# Altium PCB ASCII_LimeSDR-USB_1v4s.PcbDoc (part 7 of 10) (continued)
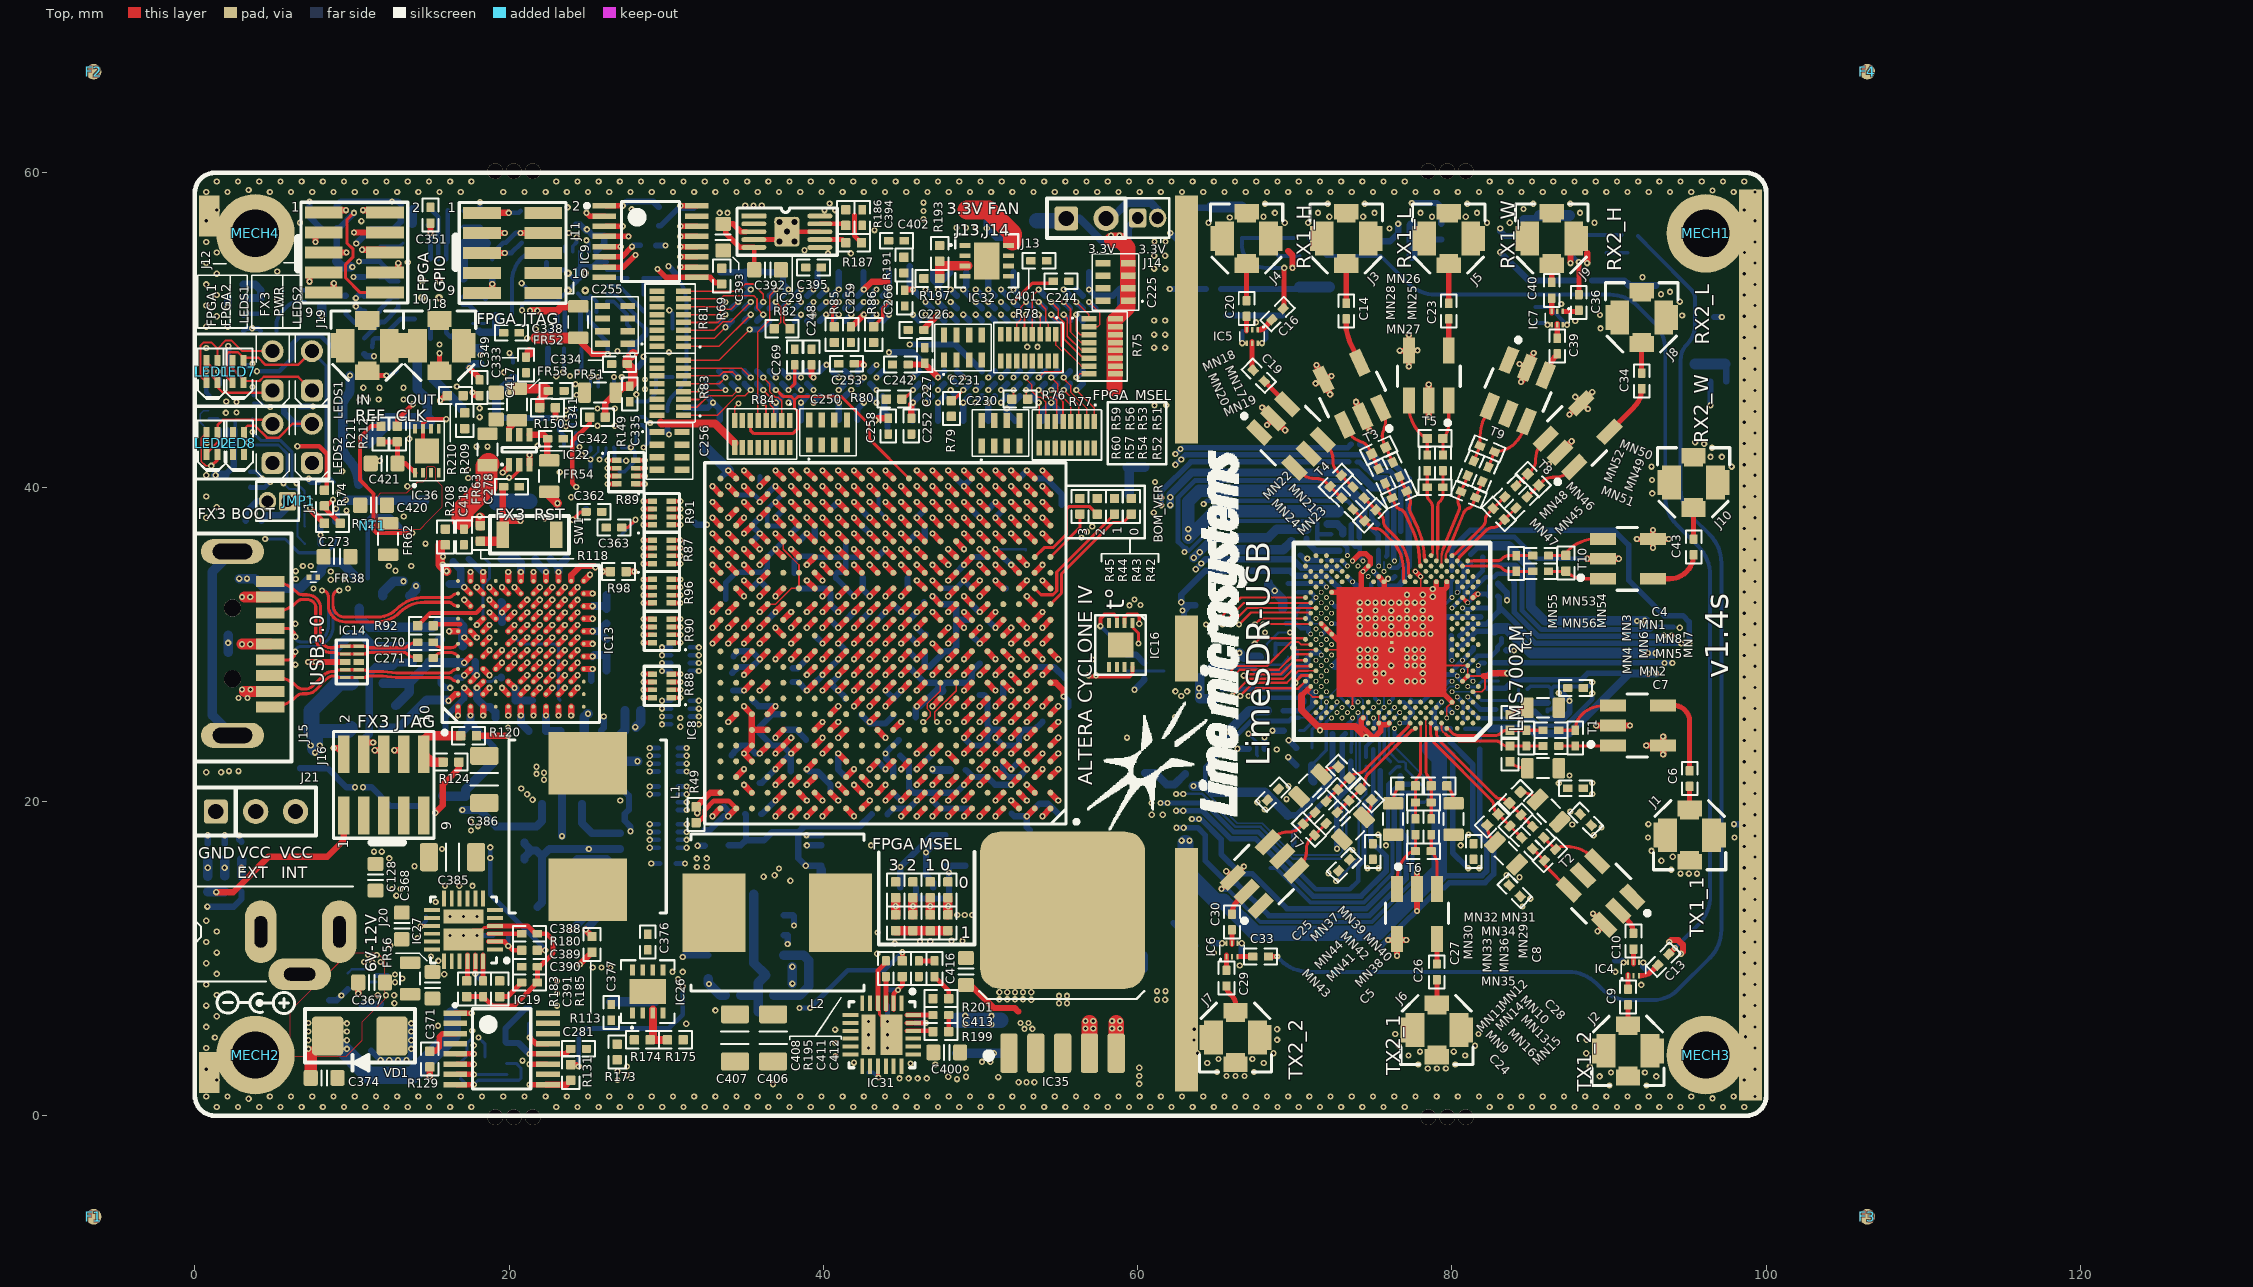
[diagram p0: Top view]
## Nets (pads, with @x,y where several pads share a name; then routed paths per layer and width w, separated by ;. In a path a pad name is that pad's centre, name@x,y a point inside that pad or via, vN(x,y) a via of type N, cw(c..) or ccw(c..) an arc to the next point about the centre after c; other vN are vias at no path point) (continued)
NetC81_1: C81.1 FR16.2 FR18.2 IC1.L5 R37.2 | length 4.2
  L4 w0.35: v4(80.006,28.977) 80.006,28.311 v4(80.339,27.978)
  Bottom w0.3: C81.1@79.381,27.894 79.558,28.07 80.247,28.07 v4(80.339,27.978) 80.339,27.931 R37.2@80.624,27.646
  Bottom w0.35: FR16.2@79.95,30.525 79.95,29.033 v4(80.006,28.977)
NetC82_1: C82.1 FR15.1 IC1.AN23 | length 2.7
  Bottom w0.3: C82.1@74.126,36.239 74.126,35.523 v4(74.345,35.304)
  Bottom w0.35: FR15.1@73.601,37.594 73.601,36.49 73.852,36.239 C82.1@74.101,36.239
NetC83_1: C83.1 FR20.2 IC1.G5 | length 1.7
  Bottom w0.2: C83.1@80.753,26.232 80.719,26.232 80.719,25.316 FR20.2@80.849,25.186
  Bottom w0.3: v4(80.339,26.646) C83.1@80.753,26.232
NetC84_1: C84.1 FR21.2 IC1.N1 | length 1.1
  Bottom w0.3: C84.1@81.721,28.069 81.671,28.119 v4(81.671,28.644) 81.833,28.806 FR21.2@82.094,28.806
NetC85_1: C85.1 FR19.1 IC1.AM18 | length 2.3
  Bottom w0.31: v4(76.01,34.971) 76.113,34.869 76.526,34.869 76.776,35.119 FR19.1@76.776,36.514
NetC86_1: C86.1 IC1.AL19 R38.2 | length 3.5
  Bottom w0.11: v4(75.677,34.638) 75.676,35.244
  Bottom w0.3: 75.821,35.589 75.881,35.649 C86.1@75.881,38.419
NetC87_1: C87.1 FR20.1 R39.1 | length 1.6
  Bottom w0.3: FR20.1@80.849,24.626 81.772,24.626 R39.1@81.775,24.629 ; C87.1@81.771,23.869 R39.1@81.771,24.559
NetC88_1: C88.1 FR22.1 IC1.AM20 | length 1
  Bottom w0.3: v4@75.331,34.984 FR22.1@75.331,36.019
  other v4: 75.344,34.971
NetC89_1: C89.1 FR27.2 IC1.AD6 | length 3.8
  Bottom w0.3: v4(80.006,32.307) 80.826,33.127 80.826,33.535 81.201,33.91 81.201,33.918 81.946,34.663
  Bottom w0.35: C89.1@81.946,34.869 FR27.2@81.946,35.55
NetC90_1: C90.1 FR23.2 IC1.AE3 IC1.AF4 | length 4.5
  Top w0.3: IC1.AF4@80.672,32.973 v4(81.005,32.64)
  Bottom w0.3: v4(81.005,32.64) 81.226,32.861 81.226,33.37 81.575,33.719 ; 81.601,33.752 82.117,34.269 82.676,34.269 82.896,34.489 83.176,34.489 FR23.2@84.055,34.489
NetC91_1: C91.1 FR24.1 FR25.1 IC1.AN17 | length 7.9
  Bottom w0.34: FR25.1@73.98,41.6 74.125,41.6 75.125,40.6 75.845,40.6 76.293,40.152 FR24.1@76.293,39.982 ; FR24.1@76.301,40.069 76.301,35.346 v4(76.343,35.304)
NetC92_1: C92.1 FR26.1 IC1.AJ25 | length 1
  Bottom w0.35: FR26.1@73.399,34.246 73.672,33.972 v4(73.679,33.972) 73.908,33.744 C92.1@74.183,33.744
NetC93_1: C93.1 FR28.2 IC1.AG5 | length 2.7
  Bottom w0.35: v4@80.351,33.294 80.401,33.344 80.401,33.719 80.451,33.769 80.459,33.769 80.776,34.086 80.776,34.094 80.776,34.739 ; C93.1@80.486,35.154 80.776,34.864 80.776,34.739 ; FR28.2@81.191,35.154 80.776,34.739
  other v4: 80.339,33.306
NetC94_1: C94.1 FR30.2 IC1.P4 | length 1.7
  Bottom w0.35: C94.1@80.206,28.526 80.221,28.526 v4(80.672,28.977) 81.369,29.674 FR30.2@81.369,29.781
NetC95_1: C95.1 FR29.1 IC1.AP26 | length 1.7
  Bottom w0.3: C95.1@72.276,36.439 FR29.1@73.051,36.439 73.346,36.144 v4(73.346,35.637)
NetC96_1: C96.1 FR29.2 R40.2 | length 1.4
  Bottom w0.5: C96.1@72.076,37.644 R40.2@72.701,37.644 73.051,37.294 FR29.2@73.051,37.044
NetC97_1: C97.1 FR31.1 IC1.AM26 | length 1.4
  Bottom w0.3: C97.1@72.051,35.339 FR31.1@72.826,35.339 72.979,35.339 v4(73.346,34.971)
NetC98_1: C98.1 FR31.2 R41.2 | length 2.5
  Bottom w0.4: R41.2@70.751,36.714 70.751,36.519 71.321,35.949 FR31.2@72.851,35.949
NetC99_1: C99.1 FR32.1 IC1.AK22 | length 13.9
  L4 w0.35: v1(65.8,36) 71.425,36 73.003,34.422 73.865,34.422 74.099,34.188 74.561,34.188 v4(74.678,34.305)
  Bottom w0.6: v1(65.8,36) 69.25,36 69.775,36.525
NetC100_1: C100.1 FR33.1 IC1.AF6 | length 1.9
  Bottom w0.25: C100.1@79.531,32.544 79.576,32.544 v4(80.006,32.973) 79.939,33.04 79.939,33.982 FR33.1@80.051,34.094 ; FR33.1@80.001,34.064 FR33.1@80.006,34.059
NetC101_1: C101.1 FR34.1 IC1.AD4 | length 1.8
  Bottom w0.3: v4(80.672,32.307) 80.737,32.307 80.829,32.215 81.181,32.215 81.273,32.307 82.342,32.307 FR34.1@82.351,32.299
NetC102_1: C102.1 FR35.1 IC1.AF2 | length 1.8
  Top w0.35: IC1.AF2@81.338,32.973 81.558,33.194 v4(81.651,33.194)
  Bottom w0.3: v4(81.651,33.194) 82.18,33.194 82.305,33.069 82.371,33.069 C102.1@82.371,33.719
NetC274_1: C274.1 FR39.2 J15.10 | length 12.8
  Bottom w0.6: J15.10@2.4,24.2 1.123,25.478 1.123,29.374 1.123,34.623 J15.10@2.4,35.9
NetC298_2: C298.2 C299.1 FR44.1 IC13.A2 | length 5.7
  Top w0.4: v2(16.15,26.4) 16.575,26.825 IC13.A2@16.75,26.825
  Bottom w0.6: FR44.1@11.95,24.65 12.975,24.65 C298.2@14.2,25.875 14.775,26.45 C299.1@15.325,26.45 v2@16.1,26.45
NetC300_1: C300.1 C301.2 FR45.1 IC13.B5 | length 7.9
  Top w0.4: v2(17.15,28.825) IC13.B5@17.55,29.225
  Bottom w0.6: FR45.1@11.975,27.525 13.636,27.525 ; C301.2@12.8,26.1 13.636,26.936 13.636,27.525 ; C300.1@14.875,28.85 14.875,28.764 13.636,27.525 ; C300.1@15.075,28.825 v2(17.15,28.825)
NetC302_1: C302.1 C303.2 FR46.1 IC13.A7 | length 8.7
  Top w0.4: v2(16.184,30.825) IC13.A7@16.75,30.825
  Bottom w0.6: FR46.1@8.9,28.925 8.9,29.625 C303.2@9.875,30.6 ; C303.2@10.1,30.6 10.6,30.6 11.365,29.835 C302.1@12.81,29.835 15.146,29.835 15.611,30.3
NetC321_1: C321.1 IC20.21 | length 1.3
  Bottom w0.254: IC20.21@26.225,53.313 C321.1@27.55,53.313
NetC321_2: C321.2 C322.1 R140.2 | length 2.2
  Bottom w0.254: R140.2@28.55,52.263 C321.2@28.55,53.313 C322.1@29.65,53.313
NetC322_2: C322.2 R137.1 R144.1 R145.1 R146.2 R147.1 R148.1 | length 49.2
  L4 w0.1: v1(3.65,50.1) 6.973,50.1 cw(c6.973,47.56) 8.769,49.356 cw(c7.849,48.436) 9.15,48.436 ccw(c10.625,48.436) 9.582,47.393 v1(9.875,47.1)
  L8 w0.1: v1(9.875,47.1) 10.248,47.1 ccw(c10.248,49.64) 12.044,47.844 15.381,51.181 cw(c17.177,49.385) 17.177,51.925 26.973,51.925 ccw(c26.973,54.465) 28.769,52.669 v1(30.15,54.05)
  Bottom w0.254: R148.1@30.075,44.85 30.075,44.909 cw(c31.441,44.909) 30.475,45.875 30.815,46.215 ccw(c29.706,47.325) 31.275,47.325 31.275,51.804 ccw(c29.141,51.804) C322.2@30.65,53.313
  Bottom w0.309: R144.1@3.1,49.925 3.275,50.1 v1(3.65,50.1) 4.025,50.1 R145.1@4.2,49.925
  Bottom w0.4: v1(30.15,54.05) 30.15,54.043 30.65,53.543 C322.2@30.65,53.313
  Bottom w0.6: v1(9.875,47.1) 9.875,46.222 cw(c9.278,46.222) 9.7,45.8 ccw(c10.386,45.114) 9.416,45.114 9.416,42.612 ccw(c10.568,42.612) 9.753,41.797 cw(c8.131,40.175) R137.1@10.425,40.175
NetC323_2: C323.2 IC20.20 | length 1.5
  Bottom w0.25: IC20.20@26.225,53.813 26.95,53.813 C323.2@27.5,54.363
NetC326_2: C326.2 C327.2 FR49.1 R138.2 XO1.5 XO2.4 | length 8.4
  Bottom w0.6: C327.2@14.15,47.95 R138.2@14.15,46.9 14.15,46.225 14.8,45.575 XO1.5@14.8,44.225
  Bottom w1: FR49.1@10.95,42.925 12.225,44.2 14.775,44.2 XO1.5@14.8,44.225
NetC328_2: C328.2 IC21.6 IC21.7 IC21.8 R141.2 | length 2.9
  Bottom w0.5: R141.2@3.1,52.025 IC21.7@4.2,52.025 IC21.8@4.2,52.525 3.825,52.9 C328.2@3.1,52.9
NetC341_2: C341.2 FR53.2 R150.2 | length 3.4
  Top w0.4: 21.95,45.475 22,45.525
  Top w0.5: 22,45.525 22,45.625 C341.2@22.5,46.125
  Top w0.6: FR53.2@20.5,46.255 22.37,46.255 C341.2@22.5,46.125 ; R150.2@21.95,45.05 21.95,45.475
NetC342_1: C342.1 FR54.2 IC22.4 | length 2.6
  Top w0.4: IC22.4@21.3,43.325 22.2,43.325 C342.1@22.45,43.075 22.425,43.05 FR54.2@22.425,41.725
NetC343_1: C343.1 IC23.5 | length 1.4
  Bottom w0.3: IC23.5@17.05,51.6 17.425,51.6 C343.1@18.125,50.9
NetC343_2: C343.2 C344.1 R152.2 | length 2.1
  Bottom w0.5: C343.2@18.125,49.9 18.175,49.85 R152.2@19.175,49.85 19.175,49.9 C344.1@19.175,50.9
NetC346_2: C346.2 C347.1 C348.1 FR55.2 IC23.6 IC23.7 | length 21.3
  L4 w0.4: v1(10.275,55.5) 10.375,55.6 14.475,55.6 17.55,52.525 17.55,49.025 v1(18.175,48.4)
  Bottom w0.3: IC23.7@15.5,50.7 IC23.6@16,50.7 16,49.825 16.25,49.575 16.475,49.575
  Bottom w0.4: v1(10.275,55.5) 11.2,56.425 C347.1@12.275,56.425 12.65,56.425 13.1,56.875 FR55.2@13.1,57.445
  Bottom w0.5: 16.475,49.575 16.975,49.575 17.7,48.85 C346.2@18.175,48.85 v1@18.175,48.45
NetC351_2: C351.2 C352.1 IC23.18 R153.1 | length 2.9
  Top w0.4: v1(15,56.175) C351.2@15,56.8
  Bottom w0.3: C352.1@14.825,56.675 15,56.5 IC23.18@15,54.5
NetC353_1: C353.1 C354.2 R159.2 | length 2
  Bottom w0.3: C354.2@12.925,48.475 R159.2@12.925,49.425 C353.1@13.975,49.425
NetC353_2: C353.2 IC23.8 | length 1.2
  Bottom w0.3: C353.2@15,49.45 IC23.8@15,50.7
NetC355_2: C355.2 R156.2 R157.1 | length 12.4
  L4 w0.1: v1(18.15,58.125) 18.15,53.227 ccw(c20.69,53.227) 18.894,51.431 19.281,51.044 cw(c17.485,49.248) 20.025,49.248 v1(20.025,48.525)
  Bottom w0.254: v1(20.025,48.525) cw(c19.456,47.956) 20.26,47.956 R157.1@20.26,47.943
  Bottom w0.309: R156.2@17.125,57.575 C355.2@18.175,57.575 ; v1@18.15,58.15 18.15,57.696 ccw(c18.321,57.696) C355.2@18.2,57.575
NetC356_1: C356.1 R162.2 | length 1.1
  Bottom w0.3: C356.1@17.1,56.575 18.15,56.575 R162.2@18.2,56.525
NetC356_2: C356.2 C357.2 IC23.20 R156.1 | length 3.2
  Bottom w0.3: IC23.20@16,54.5 16,55.475 C357.2@16.1,55.575 C356.2@16.1,56.575 R156.1@16.1,57.625
NetC358_1: C358.1 IC23.4 | length 1.5
  Bottom w0.3: IC23.4@17.05,52.1 18.35,52.1 C358.1@18.5,51.95
NetC361_2: C361.2 IC23.12 R163.2 | length 4.5
  Bottom w0.3: C361.2@9.625,51.175 9.625,51 10.15,50.475 11.075,50.475 R163.2@11.775,51.175 11.775,51.3 12.575,52.1 IC23.12@12.95,52.1
NetC367_2: C367.2 FR56.2 IC25.A2 IC25.A3 IC25.B3 IC25.C3 | length 0.7
  Bottom w0.33: IC25.C3@11.538,8.913 IC25.B3@11.938,8.913 IC25.A3@12.273,8.913
  other v1: 12.738,8.488 13.2,8.725 12.738,8.988
NetC373_1: C373.1 J20.1 J21.2 R172.2 VD1.A | length 5
  Bottom w0.4: C373.1@11.225,4.125 v1(11.825,3.525) v1(13.475,3.525) 13.775,3.825 v1(13.775,5.875)
  other v1: 12.375,3.525 12.925,3.525 13.775,4.25 13.775,4.8 13.775,5.35
NetC377_2: C377.2 IC26.1 R173.2 R174.2
NetC378_1: C378.1 IC27.15 | length 1.4
  Top w0.25: v1@14.425,12.075 IC27.15@15.1,12.075
  Bottom w0.25: v1(14.375,12.05) 14.7,12.375 C378.1@14.7,12.675
NetC378_2: C378.2 IC27.5 IC27.6 IC27.7 IC27.14 IC27.26 L1.1
  other v5: 16.25,12.675 17.1,12.675 17.95,12.675
NetC383_2: C383.2 FR58.2 IC28.5 IC28.8
NetC384_2: C384.2 IC28.1 R178.2 R179.2
NetC388_1: C388.1 IC27.3 | length 2.1
  Top w0.309: IC27.3@18.7,11.575 C388.1@20.8,11.575
NetC389_1: C389.1 IC27.1 R185.2
NetC390_1: C390.1 R185.1 | length 1.8
  Top w0.309: R185.1@19.4,7.575 19.9,7.575 C390.1@20.8,8.475
NetC391_1: C391.1 IC27.24 | length 1.7
  Top w0.309: C391.1@18.35,8.575 IC27.24@18.35,10.225
NetC397_2: C397.2 FR59.2 IC30.5 IC30.8
NetC398_2: C398.2 IC30.1 R188.2 R189.1
NetC399_1: C399.1 IC31.15 | length 1.5
  Top w0.25: IC31.15@43.475,3.15 43.475,2.45 v1(43.5,2.425)
  Bottom w0.25: C399.1@42.875,2.75 43.175,2.75 v1(43.5,2.425)
NetC399_2: C399.2 IC31.5 IC31.6 IC31.7 IC31.14 IC31.26 L2.1
  other v5: 42.875,4.3 42.875,5.15 42.875,6
NetC402_2: C402.2 IC32.1 R191.2 R193.2
NetC404_2: C404.2 FR60.2 IC33.5 IC33.8
NetC405_2: C405.2 IC33.1 R192.2 R194.2
NetC408_1: C408.1 IC31.3 | length 2.1
  Top w0.309: IC31.3@43.975,6.75 C408.1@43.975,8.85
NetC410_2: C410.2 IC34.1 R202.2 R203.2
NetC411_1: C411.1 IC31.1 R201.2
NetC412_1: C412.1 R201.1 | length 1.8
  Top w0.309: C412.1@47.075,8.85 47.975,7.95 R201.1@47.975,7.45
NetC413_1: C413.1 IC31.24 | length 1.7
  Top w0.309: IC31.24@45.325,6.4 C413.1@46.975,6.4
NetC415_2: C415.2 IC35.4 R204.2 R205.1 | length 1.9
  Top w1: IC35.4@56.93,3.975 56.93,5.905
  other v1: 56.675,5.55 57.175,5.55 56.675,6.025 57.175,6.025
NetC416_2: C416.2 FR61.2 IC35.2 | length 4
  Top w0.4: C416.2@49.2,8.5 50.85,6.85 52.176,6.85 52.402,6.624
  other v1: 52.8,5.525 53.3,5.525 52.55,5.9 53.05,5.9
NetC417_2: C417.2 FR63.1 IC36.5 R209.1
NetC418_2: C418.2 FR63.2 R208.2 | length 4.2
  Top w1.4: 17.05,37.95 17.05,38.525 18.55,40.025 18.55,41.325 FR63.2@18.7,41.475
NetC420_2: C420.2 FR62.2 IC36.3
NetC421_2: C421.2 IC36.1 R211.2 R212.1 | length 3.8
  Top w0.3: R211.2@11.85,42.875 R212.1@12.875,42.875 12.9,42.85 C421.2@12.9,41.5 13.425,41.5 IC36.1@14.025,40.9
NetFR53_1: FR53.1 IC22.6 | length 1.1
  Top w0.4: IC22.6@20,43.325 20,43.755 FR53.1@20.5,44.255
NetIC1_D6: IC1.D6 R32.2 | length 0.4
  Bottom w0.35: R32.2@79.685,25.825 79.828,25.825 v4(80.006,25.647)
NetIC1_D28: IC1.D28 R9.1 | length 6
  L10 w0.1: v1(68.075,24.075) 68.718,24.075 70.291,25.647 v4(72.68,25.647)
  Bottom w0.4: R9.1@68.075,23.35 v1(68.075,24.075)
NetIC1_F18: IC1.F18 R11.1 | length 2.2
  Bottom w0.25: v4(76.01,26.313) 76.248,26.552 76.248,27.048 76.631,27.431 76.631,28.164 R11.1@76.58,28.215
NetIC1_F28: IC1.F28 R8.1 | length 3.6
  Bottom w0.2: R8.1@71.1,23.4 71.1,24.598 72.68,26.178 v4(72.68,26.313)
NetIC1_F30: IC1.F30 R7.1 | length 2.7
  Bottom w0.2: R7.1@70.3,24.5 70.578,24.5 72.014,25.936 v4(72.014,26.313)
NetIC1_J5: IC1.J5 R34.1 | length 1.1
  Bottom w0.11: R34.1@79.356,27.019 79.579,27.019 79.872,27.312 v4(80.339,27.312)
NetIC1_K2: IC1.K2 R37.1 | length 0.5
  Bottom w0.3: R37.1@81.049,28.017 R37.1@81.074,28.017 ; R37.1@81.049,28.042 R37.1@81.074,28.017 ; v4(81.338,27.645) 81.338,27.753 R37.1@81.074,28.017
NetIC8_AA19: IC8.AA19 R46.1 | length 2.5
  Top w0.4: v1(35.95,39.05) IC8.AA19@36.45,39.55
  Bottom w0.309: R46.1@34.454,39.479 34.454,39.505 35.595,39.505 35.95,39.15 v1(35.95,39.05)
NetIC8_AB19: IC8.AB19 R47.2 | length 1.3
  Top w0.4: v1(35.95,40.05) IC8.AB19@36.45,40.55
  Bottom w0.309: v1(35.95,40.05) 35.975,40.075 R47.2@35.975,40.675
NetIC9_1: IC9.1 R64.1 R66.2 | length 54.6
  Top w0.35: IC9.1@26.175,57.9 v1(27.225,57.9)
  L8 w0.1: v1(4.475,36.7) 4.25,36.925 3.624,36.925 2.45,38.099 2.45,42.214 2.75,42.514 2.75,43.175 2.925,43.35 2.925,43.775 3.4,44.25 3.4,45.534 2.925,46.009 2.925,46.711 3.325,47.111 3.325,47.995 3.53,48.2 3.8,48.2 4.45,47.55 5.725,47.55 6.225,48.05 6.225,49.05 7.3,50.125 7.3,51.191 8.1,51.991 8.1,54.153 9.85,55.903 9.85,56.42 9.98,56.55 10.3,56.55 11.4,55.45 22.575,55.45 24,56.875 26.2,56.875 v1(27.225,57.9)
  Bottom w0.2: v1(4.475,36.7) 5.75,36.7 6.625,35.825 8.4,35.825 8.975,36.4 R64.1@8.975,36.825
  Bottom w0.4: v1(27.225,57.9) 27.5,58.175 29.175,58.175 R66.2@29.525,57.825
NetIC9_6: IC9.6 R68.1 | length 2.6
  Top w0.35: IC9.6@26.05,54.65 27.175,54.65 v1(27.825,55.3)
  Bottom w0.35: v1(27.825,55.3) 27.9,55.375 R68.1@28.35,55.375
NetIC9_14: IC9.14 R72.2 R74.2 | length 51.1
  Top w0.3: v1(8.8,39.2) 8.4,38.8 R74.2@8.25,38.8 8.25,38.7 R72.2@9.25,37.7
  Top w0.35: v1(30.9,56.6) IC9.14@31.95,56.6
  L4 w0.1: v1(8.8,39.2) 8.325,39.675 8.325,42.057 8.007,42.375 7.45,42.375 6.275,43.55 6.275,46.525 5.6,47.2 4.975,47.2 3.225,48.95 3.225,50.225 3.625,50.625 7.305,50.625 9.2,52.52 9.2,55.775 9.975,56.55 16.08,56.55 18.005,58.475 18.295,58.475 19.67,57.1 27.225,57.1 27.725,56.6 v1(30.9,56.6)
NetIC10_3: IC10.3 R73.2 | length 4.2
  Bottom w0.6: IC10.3@32.675,11.485 33.985,11.485 34.575,12.075 R73.2@34.575,14.1
NetIC10_7: IC10.7 R71.2 | length 5.9
  Bottom w0.6: R71.2@36.85,7.65 38.5,7.65 39.075,8.225 39.075,9.875 38.735,10.215 IC10.7@37.475,10.215
NetIC13_B3: IC13.B3 R95.2 | length 1.4
  Top w0.4: IC13.B3@17.55,27.625 v2(17.95,28.025)
  Bottom w0.5: R95.2@17.85,28.875 17.85,28.125 v2@17.937,28.038
NetIC13_C8: IC13.C8 R93.2 | length 5.2
  Top w0.4: v2(17.95,31.225) IC13.C8@18.35,31.625
  Bottom w0.2: v2(17.95,31.225) 18.35,31.625 18.35,33.305 18.35,33.791 18.75,34.191 18.75,35.15 R93.2@18.475,35.425
NetIC13_E1: IC13.E1 R97.4 | length 14.8
  Top w0.4: v2(19.95,25.459) IC13.E1@19.95,26.025
  L4 w0.1: v2(19.95,25.459) 20.3,25.809 23.295,25.809 23.5,25.604 23.5,25.325 23.8,25.025 27.47,25.025 30.075,27.63 30.075,28.95 v1(29.725,29.3)
  Bottom w0.3: v1(29.725,29.3) R97.4@30.3,29.3
NetIC13_E4: IC13.E4 R97.8 | length 15.4
  Top w0.4: IC13.E4@19.95,28.425 v2(20.35,28.825)
  L3 w0.1: v2(20.35,28.825) 20.8,29.275 20.8,30.57 21.005,30.775 21.195,30.775 21.6,31.18 21.6,32.17 21.805,32.375 22.895,32.375 23.15,32.12 23.15,31.825 23.375,31.6 24.47,31.6 24.966,31.104 24.966,30.68 25.271,30.375 25.925,30.375 27.025,29.275 28.75,29.275 v1(29.725,28.3)
  Bottom w0.3: v1(29.725,28.3) R97.8@30.3,28.3
NetIC13_E5: IC13.E5 R97.6 | length 14.3
  Top w0.4: IC13.E5@19.95,29.225 v2(20.35,29.625)
  L4 w0.1: v2(20.35,29.625) 20.35,29.375 20.525,29.2 21.275,29.2 21.55,29.475 21.55,29.9 21.725,30.075 22.925,30.075 23.2,29.8 23.2,29.425 23.425,29.2 24.55,29.2 24.925,29.575 25.5,29.575 25.547,29.575 25.851,29.575 ccw(c25.851,29.879) 26.155,29.879 26.155,29.946 cw(c26.459,29.946) 26.459,30.25 cw(c26.459,29.946) 26.763,29.946 26.763,29.575 26.763,29.268 ccw(c27.067,29.268) 27.067,28.964 ccw(c27.067,29.268) 27.371,29.268 27.371,29.271 cw(c27.675,29.271) 27.675,29.575 28.2,29.575 28.475,29.3 29.225,29.3 v1(29.725,28.8)
  Bottom w0.3: v1(29.725,28.8) R97.6@30.3,28.8
NetIC13_F3: IC13.F3 R94.8 | length 14.6
  Top w0.4: IC13.F3@20.75,27.625 v2(21.15,28.025)
  L8 w0.1: v2(21.15,28.025) 20.8,27.675 20.8,26.85 20.375,26.425 20.375,25.2 21.267,24.308 22.976,24.308 23.359,23.925 28.75,23.925 v1(29.725,24.9)
  Bottom w0.3: v1(29.725,24.9) R94.8@30.3,24.9
NetIC13_F4: IC13.F4 R94.2 | length 14.4
  Top w0.4: IC13.F4@20.75,28.425 v2(21.15,28.825)
  L8 w0.1: v2(21.15,28.825) 21.6,28.375 22.125,28.375 22.2,28.3 22.2,28.292 22.3,28.192 22.3,26.125 22.8,25.625 22.8,25.314 23.005,25.109 25.225,25.109 25.475,25.359 25.475,25.725 25.825,26.075 26.6,26.075 26.95,25.725 26.95,25.425 27.266,25.109 28.434,25.109 v1(29.725,26.4)
  Bottom w0.3: v1(29.725,26.4) R94.2@30.3,26.4
NetIC13_F5: IC13.F5 R97.2 | length 14.5
  Top w0.4: IC13.F5@20.75,29.225 v2(21.15,29.625)
  L4 w0.1: v2(21.15,29.625) 20.8,29.975 19.975,29.975 19.775,30.175 19.775,30.675 19.975,30.875 22.975,30.875 23.175,30.675 23.175,30.25 23.35,30.075 24.7,30.075 25.075,30.45 27.975,30.45 28.15,30.275 28.15,30.005 28.405,29.75 29.675,29.75 v1(29.725,29.8)
  Bottom w0.3: v1(29.725,29.8) R97.2@30.3,29.8
NetIC13_F7: IC13.F7 R87.5 | length 15
  Top w0.3: v1(28.55,35.625) R87.5@29.125,35.625
  Top w0.4: IC13.F7@20.75,30.825 v2(21.15,31.225)
  L4 w0.1: v2(21.15,31.225) 21.575,31.65 21.575,33.8 21.925,34.15 21.925,37.15 22.35,37.575 26.6,37.575 v1(28.55,35.625)
NetIC13_F8: IC13.F8 R89.3 | length 14.1
  Top w0.3: v1(26.275,41.2) R89.3@26.85,41.2
  Top w0.4: IC13.F8@20.75,31.625 v2(21.15,32.025)
  L8 w0.1: v2(21.15,32.025) 21.6,32.475 22.095,32.475 22.3,32.68 22.3,34.046 21.9,34.446 21.9,38.625 24.475,41.2 v1(26.275,41.2)
NetIC13_F9: IC13.F9 R87.3 | length 14.9
  Top w0.3: v1(28.55,36.125) R87.3@29.125,36.125
  Top w0.4: IC13.F9@20.75,32.425 v2(21.15,32.825)
  L4 w0.1: v2(21.15,32.825) 21.15,38.125 21.45,38.425 26.25,38.425 v1(28.55,36.125)
NetIC13_F10: IC13.F10 R87.1 | length 14.9
  Top w0.3: v1(28.55,36.625) R87.1@29.125,36.625
  Top w0.4: v2(20.35,33.625) IC13.F10@20.75,33.225
  L4 w0.1: v2(20.35,33.625) 20.35,38.178 20.797,38.625 26.333,38.625 28.333,36.625 v1(28.55,36.625)
NetIC13_G2: IC13.G2 R94.4 | length 14.5
  Top w0.4: IC13.G2@21.55,26.825 v2(21.95,27.225)
  L8 w0.1: v2(21.95,27.225) 21.5,26.775 21.5,26.004 21.9,25.604 21.9,25.05 22.175,24.775 23.075,24.775 23.525,24.325 23.718,24.325 ccw(c23.718,24.605) 23.998,24.605 cw(c24.302,24.605) 24.302,24.909 cw(c24.302,24.605) 24.606,24.605 ccw(c24.886,24.605) 24.886,24.325 24.91,24.325 ccw(c24.91,24.629) 25.214,24.629 25.214,24.654 cw(c25.518,24.654) 25.518,24.958 cw(c25.518,24.654) 25.822,24.654 25.822,24.629 ccw(c26.126,24.629) 26.126,24.325 26.145,24.325 ccw(c26.145,24.61) 26.43,24.61 cw(c26.734,24.61) 26.734,24.914 cw(c26.734,24.61) 27.038,24.61 ccw(c27.323,24.61) 27.323,24.325 27.646,24.325 27.95,24.325 28.15,24.325 v1(29.725,25.9)
  Bottom w0.3: v1(29.725,25.9) R94.4@30.3,25.9
NetIC13_G3: IC13.G3 R94.6 | length 14.5
  Top w0.4: IC13.G3@21.55,27.625 v2(21.95,28.025)
  L8 w0.1: v2(21.95,28.025) 21.6,27.675 21.6,27.18 20.7,26.28 20.7,26.004 21.175,25.529 21.175,24.683 21.35,24.508 23.059,24.508 23.442,24.125 28.45,24.125 v1(29.725,25.4)
  Bottom w0.3: v1(29.725,25.4) R94.6@30.3,25.4
NetIC13_G5: IC13.G5 R101.7 | length 15.3
  Top w0.4: IC13.G5@21.55,29.225 v2(21.95,29.625)
  L3 w0.1: v2(21.95,29.625) 21.95,29.35 22.35,28.95 22.35,26.025 21.975,25.65 21.975,24.575 24,22.55 24.45,22.55 24.754,22.55 25.12,22.55 cw(c25.12,22.308) 25.362,22.308 ccw(c25.666,22.308) 25.666,22.004 ccw(c25.666,22.308) 25.97,22.308 cw(c26.212,22.308) 26.212,22.55 26.578,22.55 26.925,22.55 27.4,22.55 28.25,23.4 v1(28.95,23.4)
  Bottom w0.3: v1(28.95,23.4) R101.7@29.525,23.4
NetIC13_G6: IC13.G6 R101.1 | length 18.8
  Top w0.4: IC13.G6@21.55,30.025 v2(21.95,30.425)
  L3 w0.1: v2(21.95,30.425) 21.5,29.975 21.5,26.109 21.2,25.809 21.2,21.825 22.35,20.675 27.725,20.675 v1(28.95,21.9)
  Bottom w0.3: v1(28.95,21.9) R101.1@29.525,21.9
NetIC13_G7: IC13.G7 R100.7 | length 18.9
  Top w0.4: IC13.G7@21.55,30.825 v2(21.95,31.225)
  L9 w0.1: v2(21.95,31.225) 21.5,30.775 21.5,29.475 21.25,29.225 21,29.225 20.8,29.025 20.8,27.08 21.2,26.68 21.2,24.417 26.617,19 28.5,19 v1(28.95,18.55)
  Bottom w0.3: v1(28.95,18.55) R100.7@29.525,18.55
NetIC13_G8: IC13.G8 R96.7 | length 14.2
  Top w0.3: v1(28.55,32.625) R96.7@29.125,32.625
  Top w0.4: IC13.G8@21.55,31.625 v2(21.95,32.025)
  L8 w0.1: v2(21.95,32.025) 21.6,31.675 19.725,31.675 19.475,31.425 19.475,31.075 19.775,30.775 24.5,30.775 24.958,31.233 27.076,31.233 28.467,32.625 v1(28.55,32.625)
NetIC13_G9: IC13.G9 R89.1 | length 14.1
  Top w0.3: v1(26.275,41.7) R89.1@26.85,41.7
  Top w0.4: IC13.G9@21.55,32.425 v2(21.95,32.825)
  L8 w0.1: v2(21.95,32.825) 21.95,33.13 21.6,33.48 21.6,34.046 21.2,34.446 21.2,39.5 23.1,41.4 25.975,41.4 v1(26.275,41.7)
NetIC13_G10: IC13.G10 R87.7 | length 15.1
  Top w0.3: v1(28.55,35.125) R87.7@29.125,35.125
  Top w0.4: IC13.G10@21.55,33.225 v2(21.95,33.625)
  L4 w0.1: v2(21.95,33.625) 22.7,34.375 22.7,34.975 22.15,35.525 22.15,37.05 22.475,37.375 23.025,37.375 23.75,37.375 24.054,37.375 24.358,37.375 cw(c24.358,37.071) 24.662,37.071 24.662,36.155 ccw(c24.966,36.155) 24.966,35.851 ccw(c24.966,36.155) 25.27,36.155 25.27,37.071 cw(c25.574,37.071) 25.574,37.375 25.675,37.375 26.3,37.375 v1(28.55,35.125)
NetIC13_H2: IC13.H2 R90.6 | length 14.7
  Top w0.3: v1(28.55,31.1) R90.6@29.125,31.1
  Top w0.4: IC13.H2@22.35,26.825 v2(22.75,27.225)
  L8 w0.1: v2(22.75,27.225) 23.1,27.575 23.1,28.925 23.35,29.175 23.775,29.175 24,28.95 24,28.68 24.205,28.475 24.495,28.475 24.795,28.775 25.275,28.775 25.55,28.775 ccw(c25.55,29.079) 25.854,29.079 25.854,29.871 cw(c26.158,29.871) 26.158,30.175 cw(c26.158,29.871) 26.462,29.871 26.462,28.775 26.462,28.304 ccw(c26.766,28.304) 26.766,28 ccw(c26.766,28.304) 27.07,28.304 27.07,28.471 cw(c27.374,28.471) 27.374,28.775 27.575,28.775 27.725,28.775 28,28.775 28.2,28.975 28.2,30.75 v1(28.55,31.1)
NetIC13_H3: IC13.H3 R90.8 | length 14.4
  Top w0.3: v1(28.55,31.6) R90.8@29.125,31.6
  Top w0.4: IC13.H3@22.35,27.625 v2(22.75,28.025)
  L8 w0.1: v2(22.75,28.025) 22.75,28.25 22.4,28.6 22.4,28.87 22.07,29.2 20.28,29.2 20,29.48 20,29.795 20.255,30.05 24.5,30.05 24.975,30.525 25.6,30.525 26.025,30.95 27.075,30.95 27.725,31.6 v1(28.55,31.6)
NetIC13_H5: IC13.H5 R102.7 | length 18.7
  Top w0.4: IC13.H5@22.35,29.225 v2(22.75,29.625)
  L9 w0.1: v2(22.75,29.625) 22.75,29.375 22.4,29.025 22.4,28.68 22.605,28.475 22.9,28.475 23.2,28.175 23.2,27.875 23.5,27.575 23.695,27.575 24,27.27 24,26.55 24.325,26.225 25.392,26.225 25.625,25.992 25.625,25.6 23.45,23.425 23.45,22.875 26.825,19.5 27.5,19.5 v1(28.95,20.95)
  Bottom w0.3: v1(28.95,20.95) R102.7@29.525,20.95
NetIC13_H7: IC13.H7 R100.5 | length 19.3
  Top w0.4: IC13.H7@22.35,30.825 v2(22.75,31.225)
  L9 w0.1: v2(22.75,31.225) 23.2,30.775 23.695,30.775 23.978,30.492 23.978,30.302 24.205,30.075 24.771,30.075 25.171,29.675 26.912,29.675 27.8,28.787 27.8,25.764 28.6,24.964 28.6,24.528 29.875,23.253 29.875,20.566 29.3,19.991 29.3,18.4 v1(28.95,18.05)
  Bottom w0.3: v1(28.95,18.05) R100.5@29.525,18.05
NetIC13_H8: IC13.H8 R101.5 | length 18.7
  Top w0.4: IC13.H8@22.35,31.625 v2(22.75,32.025)
  L3 w0.1: v2(22.75,32.025) 22.375,31.65 22.375,29.475 22.625,29.225 22.95,29.225 23.2,28.975 23.2,27.1 22.8,26.7 22.8,24.1 24.125,22.775 27.225,22.775 28.2,23.75 29.35,23.75 29.475,23.625 29.475,23.2 29.175,22.9 v1(28.95,22.9)
  Bottom w0.3: v1(28.95,22.9) R101.5@29.525,22.9
NetIC13_H9: IC13.H9 R89.7 | length 11.7
  Top w0.3: v1(26.275,40.2) R89.7@26.85,40.2
  Top w0.4: IC13.H9@22.35,32.425 v2(22.75,32.825)
  L8 w0.1: v2(22.75,32.825) 23.025,32.825 23.2,33 23.2,33.77 23.4,33.97 23.4,39.525 24.35,40.475 26,40.475 v1(26.275,40.2)
NetIC13_H10: IC13.H10 R89.5 | length 10.8
  Top w0.3: v1(26.275,40.7) R89.5@26.85,40.7
  Top w0.4: IC13.H10@22.35,33.225 v2(22.75,33.625)
  L8 w0.1: v2(22.75,33.625) 22.75,34.75 22.75,38.9 22.75,39.175 24.275,40.7 v1(26.275,40.7)
NetIC13_J1: IC13.J1 R90.4 | length 14.9
  Top w0.3: v1(28.55,30.6) R90.4@29.125,30.6
  Top w0.4: v2(23.15,25.459) IC13.J1@23.15,26.025
  L4 w0.1: v2(23.15,25.459) 23.15,24.575 23.425,24.3 27.028,24.3 30.275,27.547 30.275,29.825 29.5,30.6 v1(28.55,30.6)
NetIC13_J2: IC13.J2 R88.8 | length 14.4
  Top w0.3: v1(28.55,28.1) R88.8@29.125,28.1
  Top w0.4: IC13.J2@23.15,26.825 v2(23.55,27.225)
  L8 w0.1: v2(23.55,27.225) 23.275,27.225 22.825,26.775 22.825,26.175 23.191,25.809 23.805,25.809 25.196,27.2 25.65,27.2 25.9,26.95 25.9,26.6 26.2,26.3 27.1,26.3 27.3,26.5 27.3,27.025 27.475,27.2 28.025,27.2 28.2,27.025 28.2,26.455 28.505,26.15 29.1,26.15 29.375,26.425 29.375,27.825 29.1,28.1 v1(28.55,28.1)
NetIC13_J3: IC13.J3 R90.2 | length 14.5
  Top w0.3: v1(28.55,30.1) R90.2@29.125,30.1
  Top w0.4: IC13.J3@23.15,27.625 v2(23.55,28.025)
  L8 w0.1: v2(23.55,28.025) 23.925,27.65 23.925,26.875 24.075,26.725 24.438,26.725 25.188,27.475 25.675,27.475 26.425,26.725 26.68,26.725 28.405,28.45 29.08,28.45 29.58,27.95 29.9,27.95 30.475,28.525 30.475,30.1 30.225,30.35 28.8,30.35 v1(28.55,30.1)
NetIC13_J4: IC13.J4 R88.4 | length 12.7
  Top w0.3: v1(28.55,27.1) R88.4@29.125,27.1
  Top w0.4: IC13.J4@23.15,28.425 v2(23.55,28.825)
  L4 w0.1: v2(23.55,28.825) 23.925,28.45 24.675,28.45 25.1,28.025 25.5,28.025 25.725,28.25 25.725,28.6 26,28.875 26.025,28.875 26.45,28.875 26.659,28.875 cw(c26.659,28.571) 26.963,28.571 26.963,27.663 ccw(c27.267,27.663) 27.267,27.359 ccw(c27.267,27.663) 27.571,27.663 27.571,28.571 cw(c27.875,28.571) 27.875,28.875 29.15,28.875 29.375,28.65 29.375,27.275 29.2,27.1 v1(28.55,27.1)
NetIC13_J5: IC13.J5 R102.5 | length 18.5
  Top w0.4: IC13.J5@23.15,29.225 v2(23.55,29.625)
  L9 w0.1: v2(23.55,29.625) 24,29.175 24,28.68 24.205,28.475 24.75,28.475 25.2,28.025 25.5,28.025 26.175,28.7 27,28.7 27.325,28.375 27.325,24.925 27.075,24.675 25.75,24.675 25.558,24.483 25.558,23.617 27.625,21.55 28.975,21.55 29.475,21.05 29.475,20.75 29.175,20.45 v1(28.95,20.45)
  Bottom w0.3: v1(28.95,20.45) R102.5@29.525,20.45
NetIC13_J6: IC13.J6 R98.2 | length 15.1
  Top w0.4: IC13.J6@23.15,30.025 v2(23.55,30.425) ; v1(25.925,34.625) R98.2@26.45,34.625
  L4 w0.1: v2(23.55,30.425) 23.55,30.583 23.175,30.958 23.175,32.15 23.4,32.375 24.495,32.375 24.7,32.17 24.7,31.675 25.175,31.2 27.6,31.2 27.9,31.5 27.9,32.425 27.55,32.775 25.2,32.775 24.966,33.009 24.966,33.666 25.15,33.85 25.725,33.85 25.925,34.05 v1(25.925,34.625)
NetIC13_J7: IC13.J7 R100.3 | length 19.2
  Top w0.4: IC13.J7@23.15,30.825 v2(23.55,31.225)
  L9 w0.1: v2(23.55,31.225) 24,30.775 24.495,30.775 24.795,30.475 26.395,30.475 28,28.87 28,25.847 28.8,25.047 28.8,24.611 30.075,23.336 30.075,20.483 29.5,19.908 29.5,18.1 v1(28.95,17.55)
  Bottom w0.3: v1(28.95,17.55) R100.3@29.525,17.55
NetIC13_J8: IC13.J8 R96.5 | length 12
  Top w0.3: v1(28.55,33.125) R96.5@29.125,33.125
  Top w0.4: IC13.J8@23.15,31.625 v2(23.55,32.025)
  L3 w0.1: v2(23.55,32.025) 23.975,32.45 24.75,32.45 25.225,31.975 25.85,31.975 ccw(c25.85,32.279) 26.154,32.279 26.154,32.433 cw(c26.458,32.433) 26.458,32.737 cw(c26.458,32.433) 26.762,32.433 26.762,31.975 26.762,31.517 ccw(c27.066,31.517) 27.066,31.213 ccw(c27.066,31.517) 27.37,31.517 27.37,31.975 27.37,32.433 cw(c27.674,32.433) 27.674,32.737 cw(c27.674,32.433) 27.978,32.433 27.978,32.279 ccw(c28.282,32.279) 28.282,31.975 28.425,31.975 28.85,31.975 29.125,32.25 29.125,32.875 28.875,33.125 v1(28.55,33.125)